# KiCad board Panel3-copy2.kicad_pcb
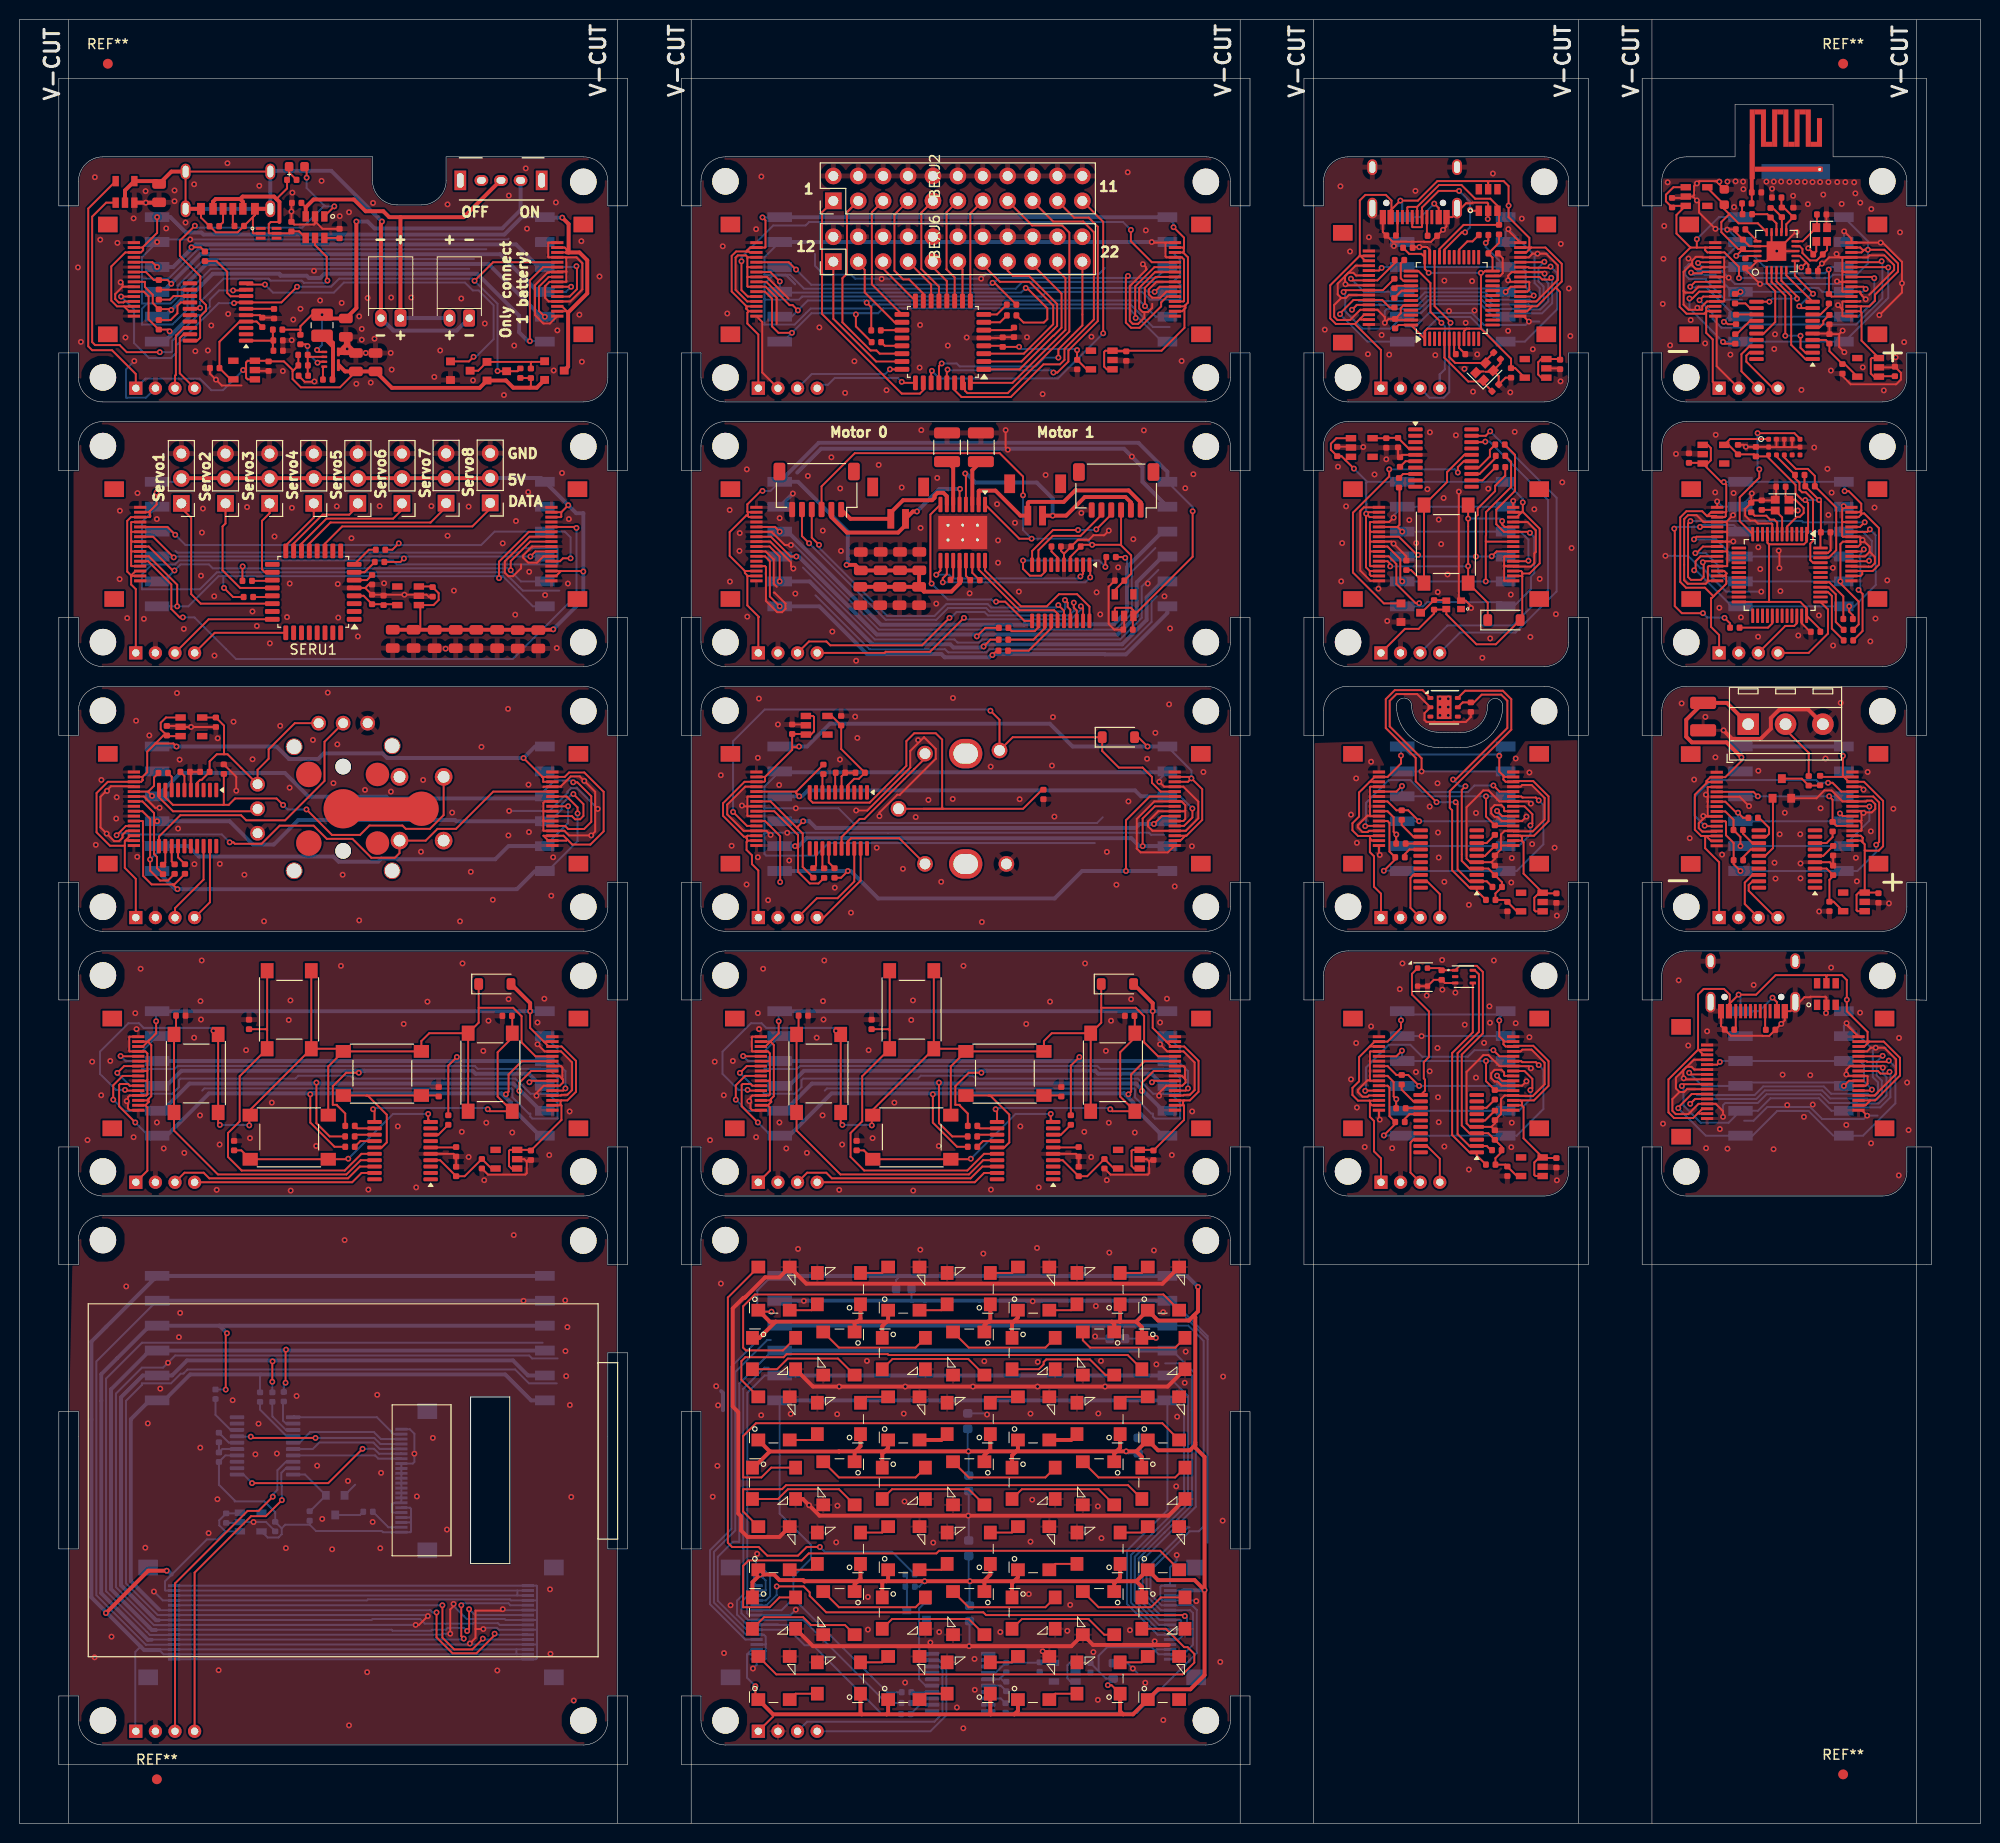
[diagram p0: board, top side]
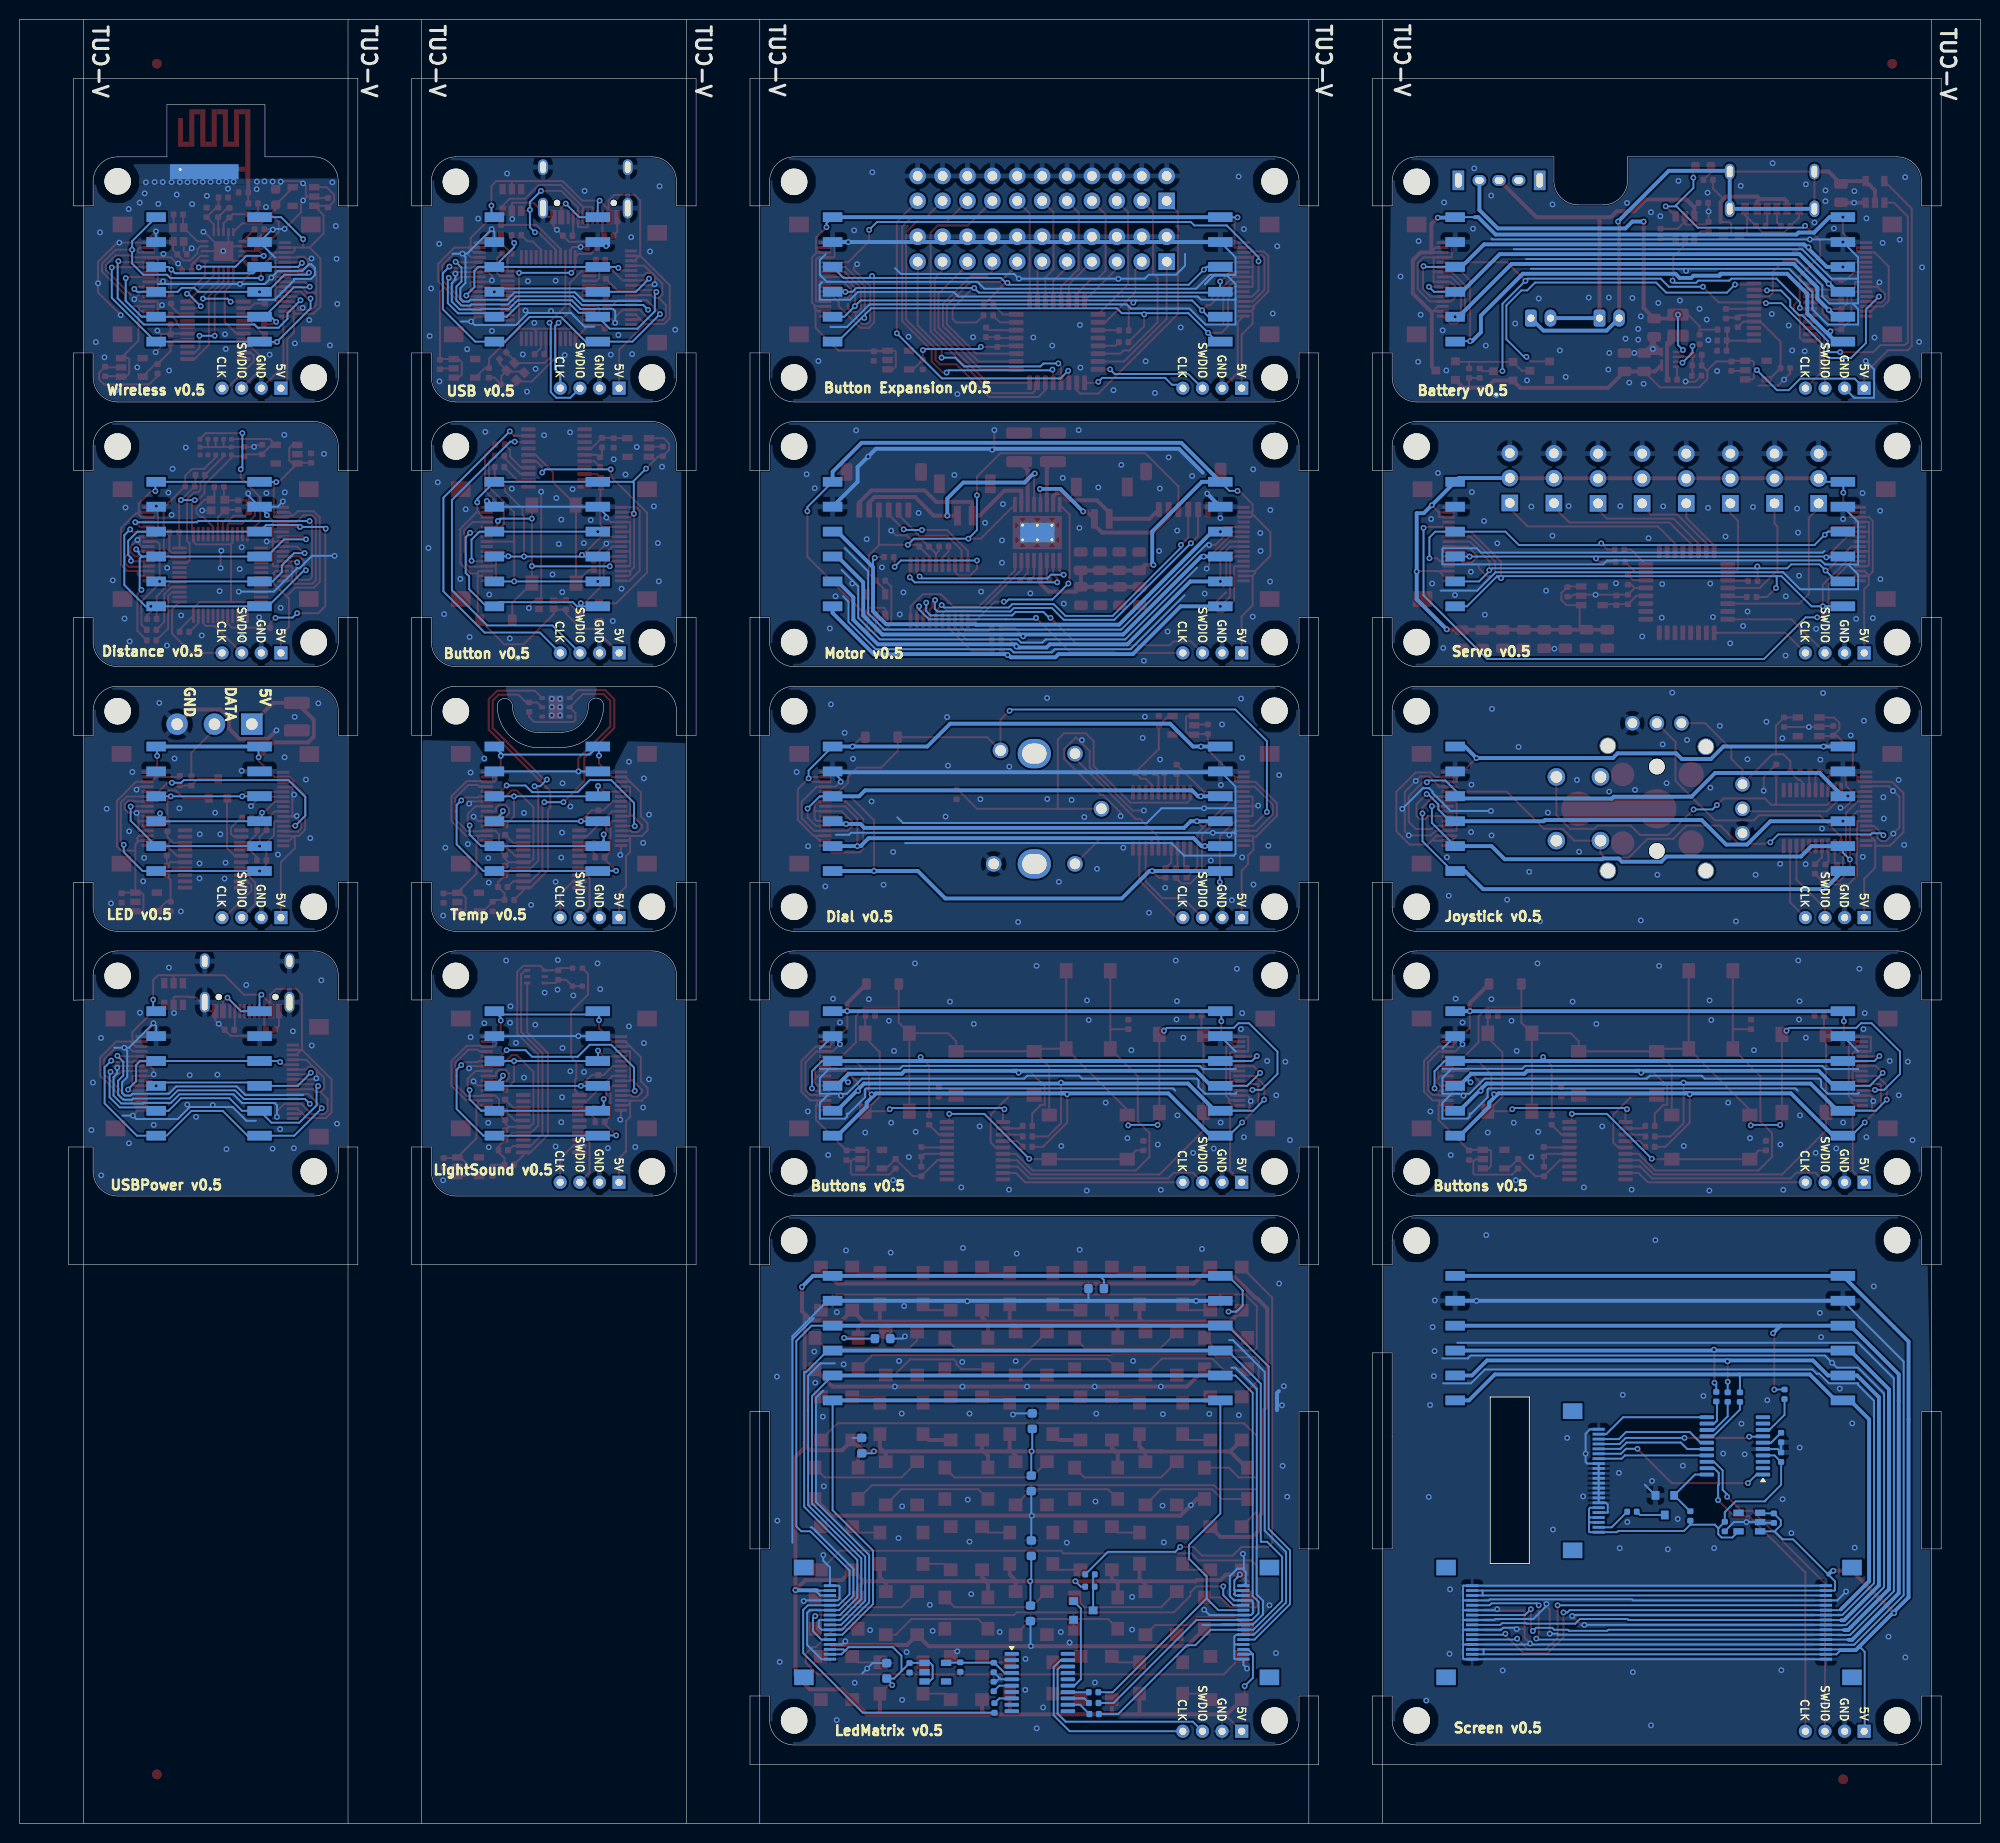
[diagram p1: board, bottom side, seen from below]

Outline 200 x 184 mm; copper layers: Top, Bottom. Coordinates in mm from the lower left corner of the outline.
Outline path: 5,0 5,184 ; 36,167.6 36,170 8.5,170 arc(6.73,169.27) 6,167.5 6,165 4,165 4,178 62,178 62,165 60,165 60,167.5 arc(59.27,169.27) 57.5,170 43.5,170 43.5,167.6 ; 35.99,167.6 arc(36.73,165.83) 38.49,165.1 41.01,165.1 arc(42.78,165.83) 43.51,167.6 ; 61,0 61,184 ; 68.5,0 68.5,184 ; 124.5,0 124.5,184 ; 132,0 132,184 ; 159,0 159,184 ; 166.5,0 166.5,184 ; 193.5,0 193.5,184 ; 0,184 200,184 200,0 0,0 0,184 ; 4,150 6,150 6,147.5 arc(6.73,145.73) 8.5,145 57.5,145 arc(59.27,145.73) 60,147.5 60,150 62,150 62,138 60,138 60,140.5 arc(59.27,142.27) 57.5,143 8.5,143 arc(6.73,142.27) 6,140.5 6,138 4,138 4,150 ; 4,123 6,123 6,120.5 arc(6.73,118.73) 8.5,118 57.5,118 arc(59.27,118.73) 60,120.5 60,123 62,123 62,111 60,111 60,113.5 arc(59.27,115.27) 57.5,116 8.5,116 arc(6.73,115.27) 6,113.5 6,111 4,111 4,123 ; 4,96 6,96 6,93.5 arc(6.73,91.73) 8.5,91 57.5,91 arc(59.27,91.73) 60,93.5 60,96 62,96 62,84 60,84 60,86.5 arc(59.27,88.27) 57.5,89 8.5,89 arc(6.73,88.27) 6,86.5 6,84 4,84 4,96 ; 4,69 6,69 6,66.5 arc(6.73,64.73) 8.5,64 57.5,64 arc(59.27,64.73) 60,66.5 60,69 62,69 62,57 60,57 60,59.5 arc(59.27,61.27) 57.5,62 8.5,62 arc(6.73,61.27) 6,59.5 6,57 4,57 4,69 ; 4,42 6,42 6,28 4,28 4,42 ; 4,13 6,13 6,10.5 arc(6.73,8.73) 8.5,8 57.5,8 arc(59.27,8.73) 60,10.5 60,13 62,13 62,6 4,6 4,13 ; 46,43.5 46,26.5 50,26.5 50,43.5 46,43.5 ; 60,48 62,48 62,28 60,28 60,48 ; 67.5,178 125.5,178 125.5,165 123.5,165 123.5,167.5 arc(122.77,169.27) 121,170 72,170 arc(70.23,169.27) 69.5,167.5 69.5,165 67.5,165 67.5,178 ; 67.5,150 69.5,150 69.5,147.5 arc(70.23,145.73) 72,145 121,145 arc(122.77,145.73) 123.5,147.5 123.5,150 125.5,150 125.5,138 123.5,138 123.5,140.5 arc(122.77,142.27) 121,143 72,143 arc(70.23,142.27) 69.5,140.5 69.5,138 67.5,138 67.5,150 ; 67.5,123 69.5,123 69.5,120.5 arc(70.23,118.73) 72,118 121,118 arc(122.77,118.73) 123.5,120.5 123.5,123 125.5,123 125.5,111 123.5,111 123.5,113.5 arc(122.77,115.27) 121,116 72,116 arc(70.23,115.27) 69.5,113.5 69.5,111 67.5,111 67.5,123 ; 67.5,96 69.5,96 69.5,93.5 arc(70.23,91.73) 72,91 121,91 arc(122.77,91.73) 123.5,93.5 123.5,96 125.5,96 125.5,84 123.5,84 123.5,86.5 arc(122.77,88.27) 121,89 72,89 arc(70.23,88.27) 69.5,86.5 69.5,84 67.5,84 67.5,96 ; 67.5,69 69.5,69 69.5,66.5 arc(70.23,64.73) 72,64 121,64 arc(122.77,64.73) 123.5,66.5 123.5,69 125.5,69 125.5,57 123.5,57 123.5,59.5 arc(122.77,61.27) 121,62 72,62 arc(70.23,61.27) 69.5,59.5 69.5,57 67.5,57 67.5,69 ; 67.5,42 69.5,42 69.5,28 67.5,28 67.5,42 ; 67.5,13 69.5,13 69.5,10.5 arc(70.23,8.73) 72,8 121,8 arc(122.77,8.73) 123.5,10.5 123.5,13 125.5,13 125.5,6 67.5,6 67.5,13 ; 123.5,42 125.5,42 125.5,28 123.5,28 123.5,42 ; 131,178 160,178 160,165 158,165 158,167.5 arc(157.27,169.27) 155.5,170 135.5,170 arc(133.73,169.27) 133,167.5 133,165 131,165 131,178 ; 131,150 133,150 133,147.5 arc(133.73,145.73) 135.5,145 155.5,145 arc(157.27,145.73) 158,147.5 158,150 160,150 160,138 158,138 158,140.5 arc(157.27,142.27) 155.5,143 135.5,143 arc(133.73,142.27) 133,140.5 133,138 131,138 131,150 ; 131,123 133,123 133,120.5 arc(133.73,118.73) 135.5,118 155.5,118 arc(157.27,118.73) 158,120.5 158,123 160,123 160,111 158,111 158,113.5 arc(157.27,115.27) 155.5,116 135.5,116 arc(133.73,115.27) 133,113.5 133,111 131,111 131,123 ; 131,96 133,96 133,93.5 arc(133.73,91.73) 135.5,91 155.5,91 arc(157.27,91.73) 158,93.5 158,96 160,96 160,84 158,84 158,86.5 arc(157.27,88.27) 155.5,89 135.5,89 arc(133.73,88.27) 133,86.5 133,84 131,84 131,96 ; 131,69 133,69 133,66.5 arc(133.73,64.73) 135.5,64 155.5,64 arc(157.27,64.73) 158,66.5 158,69 160,69 160,57 131,57 131,69 ; 140.43,114.04 arc(141.22,114.79) 141.98,114.02 arc(142.78,112.1) 144.69,111.31 147,111.27 arc(148.93,112.07) 149.73,114 arc(150.51,114.76) 151.28,114 arc(150.03,110.97) 147,109.72 144.7,109.75 arc(141.68,111.01) 140.43,114.04 ; 165.5,178 194.5,178 194.5,165 192.5,165 192.5,167.5 arc(191.77,169.27) 190,170 184.97,170 184.97,175.32 174.97,175.32 174.97,170 170,170 arc(168.23,169.27) 167.5,167.5 167.5,165 165.5,165 165.5,178 ; 165.5,150 167.5,150 167.5,147.5 arc(168.23,145.73) 170,145 190,145 arc(191.77,145.73) 192.5,147.5 192.5,150 194.5,150 194.5,138 192.5,138 192.5,140.5 arc(191.77,142.27) 190,143 170,143 arc(168.23,142.27) 167.5,140.5 167.5,138 165.5,138 165.5,150 ; 165.5,123 167.5,123 167.5,120.5 arc(168.23,118.73) 170,118 190,118 arc(191.77,118.73) 192.5,120.5 192.5,123 194.5,123 194.5,111 193.5,110.97 192.5,110.97 192.5,113.5 arc(191.77,115.27) 190,116 170,116 arc(168.23,115.27) 167.5,113.5 167.5,111 165.5,111 165.5,123 ; 165.5,96 167.5,96 167.5,93.5 arc(168.23,91.73) 170,91 190,91 arc(191.77,91.73) 192.5,93.5 192.5,95.97 194.5,95.97 194.5,83.97 193.5,84 192.5,84 192.5,86.5 arc(191.77,88.27) 190,89 170,89 arc(168.23,88.27) 167.5,86.5 167.5,84 165.5,84 165.5,96 ; 165.5,69 167.5,69 167.5,66.5 arc(168.23,64.73) 170,64 190,64 arc(191.77,64.73) 192.5,66.5 192.5,69 195,69 195,57 165.5,57 165.5,69
Stack: Top 0.035mm / dielectric 1.51mm FR4 er 4.5 / Bottom 0.035mm

## Placement (name value [footprint] x y rotation side)
BATC1  0.1uF  [C_0402_1005Metric]  25.95 154 0 top
BATC2  4.7uF  [C_0402_1005Metric]  24.75 153.12 180 top
BATC3  0.1uF  [C_0402_1005Metric]  26.36 151.28 90 top
BATC5  22uF_25V  [C_0805_2012Metric]  33.27 152.57 0 top
BATC6  10nF  [C_0402_1005Metric]  31.43 147.28 270 top
BATC7  10pF  [C_0402_1005Metric]  28.9 149.8 90 top
BATC8  4.7uF  [C_0402_1005Metric]  25.4 148.65 0 top
BATC9  4.7uF  [C_0402_1005Metric]  19.9 148.45 270 top
BATC10  22uF_25V  [C_0805_2012Metric]  36.3 149.05 180 top
BATC11  22uF_25V  [C_0805_2012Metric]  34.3 149.05 180 top
BATC13  4.7uF  [C_0402_1005Metric]  27.73 162.88 180 top
BATC14  4.7uF  [C_0402_1005Metric]  28.26 165.3 270 top
BATD2  red_led  [LED_SML-D12D1WT86]  28.27 169 270 top
BATH1  M2.5MountingHole  [MountingHole_2.7mm_M2.5_ISO7380]  8.5 147.5 0 top
BATH2  M2.5MountingHole  [MountingHole_2.7mm_M2.5_ISO7380]  57.5 167.45 0 top
BATIC1  -  [USBLC6-2P6]  25.4 162.2 270 top
BATIGNORE1  Battery v0.5  [BoardText]  52.8 145.3 0 top
BATIGNORE2  ON  [BoardText]  52.04 163.5 180 bottom
BATIGNORE3  OFF  [BoardText]  46.45 163.5 180 bottom
BATIGNORE4  +  [BoardText]  43.85 151 180 bottom
BATIGNORE4#2  +  [BoardText]  43.85 160.76 180 bottom
BATIGNORE5  -  [BoardText]  45.85 151 180 bottom
BATIGNORE5#2  -  [BoardText]  45.85 160.76 180 bottom
BATIGNORE6  -  [BoardText]  36.79 160.75 180 bottom
BATIGNORE6#2  -  [BoardText]  36.79 150.99 180 bottom
BATIGNORE7  +  [BoardText]  38.84 160.75 180 bottom
BATIGNORE7#2  +  [BoardText]  38.84 150.99 180 bottom
BATIGNORE8  Only connect  [BoardText]  50.45 156.45 270 bottom
BATIGNORE9  1 battery!  [BoardText]  50.45 156.65 90 bottom
BATJ1  -  [FFC_connector_16p_hinge_lock]  10.5 157.5 180 top
BATJ2  USB_C_power_only_connector  [USB_C_Receptacle_power_only_6P]  21.25 166.6 0 top
BATJ3  -  [FFC_connector_16p_hinge_lock]  56 157.5 0 top
BATJ4  swd_4pin  [swd_header]  11.85 146.4 90 top
BATJ5  ConnBattery_JST_S2B-PH-K-S  [JST_PH_S2B-PH-K_1x02_P2.00mm_Horizontal]  37.85 153.55 180 top
BATJ6  -  [01x06_2.54mm_Female]  53.4 157.5 0 bottom
BATJ7  -  [01x06_2.54mm_Male]  14.1 157.5 180 bottom
BATJ8  ConnBattery_JST_S2B-PH-K-S  [JST_PH_S2B-PH-K_1x02_P2.00mm_Horizontal]  44.85 153.55 180 top
BATL1  1uH_3.2A  [L_1008_2520Metric]  30.85 152.82 90 top
BATQ2  PMOS_2A  [SOT-23]  48.67 148.13 270 top
BATQ5  N_MOSFET  [SOT-23]  44.95 148.19 270 top
BATQ6  PMOS_2A  [SOT-23]  54.55 148.2 270 top
BATR1  75R  [R_0402_1005Metric]  18.9 159.85 180 top
BATR2  75R  [R_0402_1005Metric]  14.2 152.87 0 top
BATR3  75R  [R_0402_1005Metric]  14.2 156.95 180 top
BATR4  75R  [R_0402_1005Metric]  14.2 154.95 0 top
BATR9  510K  [R_0402_1005Metric]  28.91 148.72 90 top
BATR10  150K  [R_0402_1005Metric]  28.94 147.68 270 top
BATR11  5.1K  [R_0402_1005Metric]  19.87 162.93 270 top
BATR12  5.1K  [R_0402_1005Metric]  22.4 162.95 90 top
BATR13  0.01R  [R_0805_2012Metric]  14.22 166.3 0 top
BATR14  100K  [R_0402_1005Metric]  26.32 152.38 270 top
BATR15  100K  [R_0402_1005Metric]  26.38 150.22 90 top
BATR16  330R  [R_0402_1005Metric]  27.77 167.65 90 top
BATR17  5.1K  [R_0402_1005Metric]  32.63 162.18 180 top
BATR18  10K  [R_0402_1005Metric]  28.64 151.37 0 top
BATR19  10K  [R_0402_1005Metric]  52.15 147.93 180 top
BATR20  100K  [R_0402_1005Metric]  51.08 147.94 180 top
BATSW1  -  [side_spst_switch]  49.1 167.6 180 top
BATU2  ME6211C33M5G-N  [SOT-23-5]  22.9 148.25 90 top
BATU3  STM32G030F6P6  [TSSOP-20_4.4x6.5mm_P0.65mm]  20.24 154.18 180 top
BATU5  -  [TPS61230A]  31.77 149.35 90 top
BATU6  INA180A3  [SOT-23-5]  10.75 166.43 0 top
BATU8  TP4057  [SOT-23-6]  30.13 162.82 180 top
BEXC3  0.1uF  [C_0402_1005Metric]  101.42 152.1 0 top
BEXC4  4.7uF  [C_0402_1005Metric]  100.28 151.1 180 top
BEXC8  4.7uF  [C_0402_1005Metric]  112.88 149.68 0 top
BEXC9  4.7uF  [C_0402_1005Metric]  107.88 148.81 0 top
BEXH1  M2.5MountingHole  [MountingHole_2.7mm_M2.5_ISO7380]  72 147.5 0 top
BEXH2  M2.5MountingHole  [MountingHole_2.7mm_M2.5_ISO7380]  121 167.45 0 top
BEXH3  M2.5MountingHole  [MountingHole_2.7mm_M2.5_ISO7380]  72 167.5 0 top
BEXH4  M2.5MountingHole  [MountingHole_2.7mm_M2.5_ISO7380]  121 147.5 0 top
BEXIGNORE1  Button Expansion v0.5  [BoardText]  109.42 145.57 0 top
BEXIGNORE2  1  [BoardText]  80.48 165.85 180 bottom
BEXIGNORE3  11  [BoardText]  111.07 166.11 180 bottom
BEXIGNORE4  12  [BoardText]  80.19 159.99 180 bottom
BEXIGNORE5  22  [BoardText]  111.19 159.43 180 bottom
BEXJ1  -  [01x06_2.54mm_Male]  77.6 157.5 180 bottom
BEXJ2  Conn_02x11_Odd_Even  [PinHeader_2x11_P2.54mm_Vertical]  95.69 166.76 90 top
BEXJ3  -  [01x06_2.54mm_Female]  116.9 157.5 0 bottom
BEXJ4  swd_4pin  [swd_header]  75.35 146.4 90 top
BEXJ5  -  [FFC_connector_16p_hinge_lock]  74 157.5 180 top
BEXJ6  Conn_02x11_Odd_Even  [PinHeader_2x11_P2.54mm_Vertical]  95.69 160.56 90 top
BEXJ7  -  [FFC_connector_16p_hinge_lock]  119 157.5 0 top
BEXR5  75R  [R_0402_1005Metric]  101.19 153.82 90 top
BEXR6  75R  [R_0402_1005Metric]  87.36 152.3 270 top
BEXR7  75R  [R_0402_1005Metric]  87.39 151.1 270 top
BEXR8  75R  [R_0402_1005Metric]  101.18 154.93 90 top
BEXU1  STM32G030K6T6  [LQFP-32_7x7mm_P0.8mm]  94.17 151.12 180 top
BEXU2  ME6211C33M5G-N  [SOT-23-5]  110.38 149.28 90 top
BLKC1  0.1uF  [C_0402_1005Metric]  108.03 68.51 0 top
BLKC2  4.7uF  [C_0402_1005Metric]  108.03 66.5 180 top
BLKC8  4.7uF  [C_0402_1005Metric]  115.65 68.16 0 top
BLKC9  4.7uF  [C_0402_1005Metric]  110.65 67.29 0 top
BLKD2  1N4148W  [D_SOD-123]  111.97 85.62 0 top
BLKH1  M2.5MountingHole  [MountingHole_2.7mm_M2.5_ISO7380]  72 66.5 0 top
BLKH2  M2.5MountingHole  [MountingHole_2.7mm_M2.5_ISO7380]  121 86.45 0 top
BLKH3  M2.5MountingHole  [MountingHole_2.7mm_M2.5_ISO7380]  72 86.5 0 top
BLKH4  M2.5MountingHole  [MountingHole_2.7mm_M2.5_ISO7380]  121 66.5 0 top
BLKIGNORE1  Buttons v0.5  [BoardText]  114.5 64.17 0 top
BLKJ1  -  [01x06_2.54mm_Male]  77.6 76.5 180 bottom
BLKJ2  -  [01x06_2.54mm_Female]  116.9 76.5 0 bottom
BLKJ3  -  [FFC_connector_16p_hinge_lock]  119 76.5 0 top
BLKJ4  swd_4pin  [swd_header]  75.35 65.4 90 top
BLKJ5  -  [FFC_connector_16p_hinge_lock]  74.45 76.5 180 top
BLKR1  75R  [R_0402_1005Metric]  107.22 71.75 180 top
BLKR2  75R  [R_0402_1005Metric]  97.2 69.02 270 top
BLKR3  75R  [R_0402_1005Metric]  97.2 71.15 270 top
BLKR4  75R  [R_0402_1005Metric]  97.19 70.08 270 top
BLKR5  10K  [R_0402_1005Metric]  86.9 81.5 0 top
BLKR6  10K  [R_0402_1005Metric]  79.94 82.4 270 top
BLKR7  10K  [R_0402_1005Metric]  113.22 82.38 90 top
BLKR8  10K  [R_0402_1005Metric]  85.38 69.14 0 top
BLKR9  10K  [R_0402_1005Metric]  106.25 74.64 0 top
BLKSW1  button_6x6x7  [SW_SPST_PTS645]  81.5 76.5 90 top
BLKSW2  button_6x6x7  [SW_SPST_PTS645]  91 83 90 top
BLKSW3  button_6x6x7  [SW_SPST_PTS645]  100.5 76.5 180 top
BLKSW4  button_6x6x7  [SW_SPST_PTS645]  91 70 180 top
BLKSW6  button_6x6x7  [SW_SPST_PTS645]  111.5 76.62 270 top
BLKU2  ME6211C33M5G-N  [SOT-23-5]  113.15 67.75 90 top
BLKU3  STM32G030F6P6  [TSSOP-20_4.4x6.5mm_P0.65mm]  102.56 68.62 180 top
BTSC1  0.1uF  [C_0402_1005Metric]  44.52 68.51 0 top
BTSC2  4.7uF  [C_0402_1005Metric]  44.52 66.5 180 top
BTSC8  4.7uF  [C_0402_1005Metric]  52.15 68.16 0 top
BTSC9  4.7uF  [C_0402_1005Metric]  47.15 67.29 0 top
BTSD2  1N4148W  [D_SOD-123]  48.48 85.62 0 top
BTSH1  M2.5MountingHole  [MountingHole_2.7mm_M2.5_ISO7380]  8.5 66.5 0 top
BTSH2  M2.5MountingHole  [MountingHole_2.7mm_M2.5_ISO7380]  57.5 86.45 0 top
BTSH3  M2.5MountingHole  [MountingHole_2.7mm_M2.5_ISO7380]  8.5 86.5 0 top
BTSH4  M2.5MountingHole  [MountingHole_2.7mm_M2.5_ISO7380]  57.5 66.5 0 top
BTSIGNORE1  Buttons v0.5  [BoardText]  51 64.17 0 top
BTSJ1  -  [01x06_2.54mm_Male]  14.1 76.5 180 bottom
BTSJ2  -  [01x06_2.54mm_Female]  53.4 76.5 0 bottom
BTSJ3  -  [FFC_connector_16p_hinge_lock]  55.5 76.5 0 top
BTSJ4  swd_4pin  [swd_header]  11.85 65.4 90 top
BTSJ5  -  [FFC_connector_16p_hinge_lock]  10.95 76.5 180 top
BTSR1  75R  [R_0402_1005Metric]  43.73 71.75 180 top
BTSR2  75R  [R_0402_1005Metric]  33.7 69.02 270 top
BTSR3  75R  [R_0402_1005Metric]  33.7 71.15 270 top
BTSR4  75R  [R_0402_1005Metric]  33.69 70.08 270 top
BTSR5  10K  [R_0402_1005Metric]  23.4 81.5 0 top
BTSR6  10K  [R_0402_1005Metric]  16.44 82.4 270 top
BTSR7  10K  [R_0402_1005Metric]  49.73 82.38 90 top
BTSR8  10K  [R_0402_1005Metric]  21.88 69.14 0 top
BTSR9  10K  [R_0402_1005Metric]  42.75 74.64 0 top
BTSSW1  button_6x6x7  [SW_SPST_PTS645]  18 76.5 90 top
BTSSW2  button_6x6x7  [SW_SPST_PTS645]  27.5 83 90 top
BTSSW3  button_6x6x7  [SW_SPST_PTS645]  37 76.5 180 top
BTSSW4  button_6x6x7  [SW_SPST_PTS645]  27.5 70 180 top
BTSSW6  button_6x6x7  [SW_SPST_PTS645]  48 76.62 270 top
BTSU2  ME6211C33M5G-N  [SOT-23-5]  49.65 67.75 90 top
BTSU3  STM32G030F6P6  [TSSOP-20_4.4x6.5mm_P0.65mm]  39.06 68.62 180 top
BUTC1  0.1uF  [C_0402_1005Metric]  140.8 138.87 180 top
BUTC2  4.7uF  [C_0402_1005Metric]  140.6 140.85 0 top
BUTC8  4.7uF  [C_0402_1005Metric]  134.4 139.95 180 top
BUTC9  4.7uF  [C_0402_1005Metric]  139.4 140.81 0 top
BUTD2  ws2812b_1615  [WS2812B_1615]  146.28 124.3 180 top
BUTD3  1N4148W  [D_SOD-123]  151.4 122.75 0 top
BUTH1  M2.5MountingHole  [MountingHole_2.7mm_M2.5_ISO7380]  135.5 120.5 0 top
BUTH2  M2.5MountingHole  [MountingHole_2.7mm_M2.5_ISO7380]  155.5 140.45 0 top
BUTIGNORE1  Button v0.5  [BoardText]  152.35 118.47 0 top
BUTJ1  -  [FFC_connector_16p_hinge_lock]  137.5 130.5 180 top
BUTJ2  -  [01x06_2.54mm_Male]  141.1 130.5 180 bottom
BUTJ3  -  [FFC_connector_16p_hinge_lock]  153.5 130.5 0 top
BUTJ4  swd_4pin  [swd_header]  138.85 119.4 90 top
BUTJ5  -  [01x06_2.54mm_Female]  151.4 130.5 0 bottom
BUTQ1  N_MOSFET  [SOT-23]  141.9 123.5 270 top
BUTR1  75R  [R_0402_1005Metric]  140.7 136.75 0 top
BUTR2  75R  [R_0402_1005Metric]  151 140.65 90 top
BUTR3  75R  [R_0402_1005Metric]  151.05 138.35 90 top
BUTR4  75R  [R_0402_1005Metric]  151.05 139.5 90 top
BUTR5  10K  [R_0402_1005Metric]  141.45 128.34 0 top
BUTR6  1K  [R_0402_1005Metric]  144.28 124.3 180 top
BUTSW2  button_6x6x7  [SW_SPST_PTS645]  145.5 130.5 90 top
BUTU2  ME6211C33M5G-N  [SOT-23-5]  136.9 140.35 270 top
BUTU3  STM32G030F6P6  [TSSOP-20_4.4x6.5mm_P0.65mm]  145.24 139.28 0 top
DIAC1  0.1uF  [C_0402_1005Metric]  83.73 107.17 90 top
DIAC2  4.7uF  [C_0402_1005Metric]  85.74 107.17 270 top
DIAC8  4.7uF  [C_0402_1005Metric]  78.8 111.62 180 top
DIAC9  4.7uF  [C_0402_1005Metric]  83.8 112.48 180 top
DIAD2  1N4148W  [D_SOD-123]  112.08 110.8 0 top
DIAH1  M2.5MountingHole  [MountingHole_2.7mm_M2.5_ISO7380]  72 93.5 0 top
DIAH2  M2.5MountingHole  [MountingHole_2.7mm_M2.5_ISO7380]  121 113.45 0 top
DIAH3  M2.5MountingHole  [MountingHole_2.7mm_M2.5_ISO7380]  72 113.5 0 top
DIAH4  M2.5MountingHole  [MountingHole_2.7mm_M2.5_ISO7380]  121 93.5 0 top
DIAIGNORE1  Dial v0.5  [BoardText]  114.33 91.63 0 top
DIAJ1  -  [FFC_connector_16p_hinge_lock]  74 103.5 180 top
DIAJ2  -  [FFC_connector_16p_hinge_lock]  118.98 103.5 0 top
DIAJ3  -  [01x06_2.54mm_Male]  77.6 103.5 180 bottom
DIAJ4  swd_4pin  [swd_header]  75.35 92.4 90 top
DIAJ5  -  [01x06_2.54mm_Female]  116.9 103.5 0 bottom
DIAR1  75R  [R_0402_1005Metric]  81.98 107.52 180 top
DIAR2  75R  [R_0402_1005Metric]  83.12 96.95 0 top
DIAR3  75R  [R_0402_1005Metric]  80.96 96.96 0 top
DIAR4  75R  [R_0402_1005Metric]  82.06 96.94 0 top
DIAR5  10K  [R_0402_1005Metric]  104.43 104.96 180 top
DIASW7  RotaryEncoder_Switch  [RotaryEncoderEC12D]  96.5 103.5 90 top
DIAU2  ME6211C33M5G-N  [SOT-23-5]  81.3 112.02 270 top
DIAU3  STM32G030F6P6  [TSSOP-20_4.4x6.5mm_P0.65mm]  83.51 102.31 270 top
DISC3  4.7uF  [C_0402_1005Metric]  177.1 139.93 180 top
DISC4  4.7uF  [C_0402_1005Metric]  184.22 131.7 90 top
DISC5  4.7uF  [C_0402_1005Metric]  183.19 121.55 270 top
DISC6  12pF  [C_0402_1005Metric]  179.65 136.35 90 top
DISC7  12pF  [C_0402_1005Metric]  177.7 134.47 0 top
DISC8  4.7uF  [C_0402_1005Metric]  170.28 139.27 180 top
DISC9  4.7uF  [C_0402_1005Metric]  175.28 140.13 180 top
DISC11  0.1uF  [C_0402_1005Metric]  176.62 134.22 0 top
DISH1  M2.5MountingHole  [MountingHole_2.7mm_M2.5_ISO7380]  170 120.5 0 top
DISH2  M2.5MountingHole  [MountingHole_2.7mm_M2.5_ISO7380]  190 140.45 0 top
DISIGNORE1  Distance v0.5  [BoardText]  186.45 118.7 0 top
DISJ1  -  [01x06_2.54mm_Male]  175.6 130.5 180 bottom
DISJ2  -  [01x06_2.54mm_Female]  185.9 130.5 0 bottom
DISJ3  -  [FFC_connector_16p_hinge_lock]  188 130.5 0 top
DISJ4  swd_4pin  [swd_header]  173.35 119.4 90 top
DISJ5  -  [FFC_connector_16p_hinge_lock]  172 130.5 180 top
DISR5  10K  [R_0402_1005Metric]  182.62 136.4 270 top
DISR6  10K  [R_0402_1005Metric]  181.57 137.55 90 top
DISR7  75R  [R_0402_1005Metric]  186.54 120.67 90 top
DISR8  75R  [R_0402_1005Metric]  186.54 121.75 90 top
DISR9  75R  [R_0402_1005Metric]  186.5 122.86 90 top
DISR10  75R  [R_0402_1005Metric]  174.95 121.97 270 top
DISU1  -  [VL53L3CXV0DH]  180 140.39 180 top
DISU2  ME6211C33M5G-N  [SOT-23-5]  172.78 139.67 270 top
DISU3  STM32F103C8T6  [LQFP-48_7x7mm_P0.5mm]  179.53 127.35 270 top
DISY1  Crystal_16M_small  [Crystal_SMD_2016-4Pin_2.0x1.6mm]  179.78 134.47 180 top
JOYC1  0.1uF  [C_0402_1005Metric]  16.88 107.26 90 top
JOYC2  4.7uF  [C_0402_1005Metric]  18.89 107.26 270 top
JOYC8  4.7uF  [C_0402_1005Metric]  15.02 111.46 180 top
JOYC9  4.7uF  [C_0402_1005Metric]  20.02 112.33 0 top
JOYH1  M2.5MountingHole  [MountingHole_2.7mm_M2.5_ISO7380]  8.5 93.5 0 top
JOYH2  M2.5MountingHole  [MountingHole_2.7mm_M2.5_ISO7380]  57.5 113.45 0 top
JOYH3  M2.5MountingHole  [MountingHole_2.7mm_M2.5_ISO7380]  8.5 113.5 0 top
JOYH4  M2.5MountingHole  [MountingHole_2.7mm_M2.5_ISO7380]  57.5 93.5 0 top
JOYIGNORE1  Joystick v0.5  [BoardText]  51.02 91.68 0 top
JOYJ1  -  [01x06_2.54mm_Male]  14.1 103.5 180 bottom
JOYJ2  -  [FFC_connector_16p_hinge_lock]  10.5 103.5 180 top
JOYJ3  -  [01x06_2.54mm_Female]  53.4 103.5 0 bottom
JOYJ4  swd_4pin  [swd_header]  11.85 92.4 90 top
JOYJ5  -  [FFC_connector_16p_hinge_lock]  55.5 103.5 0 top
JOYR1  75R  [R_0402_1005Metric]  14.65 107.15 270 top
JOYR2  75R  [R_0402_1005Metric]  16.87 97.36 0 top
JOYR3  75R  [R_0402_1005Metric]  14.63 97.31 0 top
JOYR4  75R  [R_0402_1005Metric]  15.81 97.34 0 top
JOYR6  10K  [R_0402_1005Metric]  20.83 107.54 0 top
JOYU1  -  [Joystick]  33 105.5 90 top
JOYU2  ME6211C33M5G-N  [SOT-23-5]  17.52 111.86 270 top
JOYU3  STM32G030F6P6  [TSSOP-20_4.4x6.5mm_P0.65mm]  17.14 102.55 270 top
LEDC1  0.1uF  [C_0402_1005Metric]  184.98 99.22 0 top
LEDC2  4.7uF  [C_0402_1005Metric]  184.98 97.22 180 top
LEDC4  47uF_16V  [C_1210_3225Metric]  171.72 112.9 0 top
LEDC8  4.7uF  [C_0402_1005Metric]  189.6 94.4 0 top
LEDC9  4.7uF  [C_0402_1005Metric]  184.6 93.53 0 top
LEDH1  M2.5MountingHole  [MountingHole_2.7mm_M2.5_ISO7380]  170 93.5 0 top
LEDH2  M2.5MountingHole  [MountingHole_2.7mm_M2.5_ISO7380]  190 113.45 0 top
LEDIGNORE1  LED v0.5  [BoardText]  187.8 91.85 0 top
LEDIGNORE2  GND  [BoardText]  184.82 114.42 90 top
LEDIGNORE3  DATA  [BoardText]  180.95 114.25 90 top
LEDIGNORE4  5V  [BoardText]  177.2 114.85 90 top
LEDJ1  -  [01x06_2.54mm_Male]  175.6 103.5 180 bottom
LEDJ2  TerminalBlock_3P_3.8_black  [TerminalBlock_03_P3.81mm_Horizontal]  180.12 112.13 0 top
LEDJ3  -  [01x06_2.54mm_Female]  185.9 103.5 0 bottom
LEDJ4  swd_4pin  [swd_header]  173.35 92.4 90 top
LEDJ5  -  [FFC_connector_16p_hinge_lock]  171.95 103.47 180 top
LEDJ7  -  [FFC_connector_16p_hinge_lock]  188.1 103.5 0 top
LEDQ3  N_MOSFET  [SOT-23]  179.75 105.57 0 top
LEDR1  75R  [R_0402_1005Metric]  184.93 101.67 180 top
LEDR2  75R  [R_0402_1005Metric]  175.31 98.25 270 top
LEDR3  75R  [R_0402_1005Metric]  176.82 102.58 270 top
LEDR4  75R  [R_0402_1005Metric]  175.3 101.33 270 top
LEDR5  1K  [R_0402_1005Metric]  182.49 106.35 180 top
LEDR7  1K  [R_0402_1005Metric]  183.65 106.38 0 top
LEDU2  ME6211C33M5G-N  [SOT-23-5]  187.1 94 90 top
LEDU3  STM32G030F6P6  [TSSOP-20_4.4x6.5mm_P0.65mm]  180.27 98.38 180 top
LIGC1  0.1uF  [C_0402_1005Metric]  150.48 72.22 0 top
LIGC2  4.7uF  [C_0402_1005Metric]  150.48 70.22 180 top
LIGC3  4.7uF  [C_0402_1005Metric]  145.05 86.53 0 top
LIGC8  4.7uF  [C_0402_1005Metric]  156.75 67.39 0 top
LIGC9  4.7uF  [C_0402_1005Metric]  151.75 66.52 0 top
LIGH1  M2.5MountingHole  [MountingHole_2.7mm_M2.5_ISO7380]  135.5 66.5 0 top
LIGH2  M2.5MountingHole  [MountingHole_2.7mm_M2.5_ISO7380]  155.5 86.45 0 top
LIGIGNORE1  LightSound v0.5  [BoardText]  151.7 65.8 0 top
LIGJ1  -  [01x06_2.54mm_Male]  141.1 76.5 180 bottom
LIGJ2  -  [01x06_2.54mm_Female]  151.4 76.5 0 bottom
LIGJ3  -  [FFC_connector_16p_hinge_lock]  153.5 76.5 0 top
LIGJ4  swd_4pin  [swd_header]  138.86 65.4 90 top
LIGJ5  -  [FFC_connector_16p_hinge_lock]  137.5 76.5 180 top
LIGR1  75R  [R_0402_1005Metric]  150.47 74.33 180 top
LIGR2  75R  [R_0402_1005Metric]  140.8 71.55 270 top
LIGR3  75R  [R_0402_1005Metric]  140.97 75.86 180 top
LIGR4  75R  [R_0402_1005Metric]  140.89 72.95 270 top
LIGR5  10K  [R_0402_1005Metric]  150.05 67.2 90 top
LIGR6  10K  [R_0402_1005Metric]  150.68 68.67 90 top
LIGU1  -  [LTR-381RGB]  147.32 86.38 0 top
LIGU2  ME6211C33M5G-N  [SOT-23-5]  154.25 66.98 90 top
LIGU3  STM32G030F6P6  [TSSOP-20_4.4x6.5mm_P0.65mm]  145.77 71.38 180 top
LIGU4  WMM7027ATSN1-4/TR  [LGA-4]  143.1 86.33 0 top
MATC1  4.7uF  [C_0402_1005Metric]  109.22 15.88 180 bottom
MATC2  4.7uF  [C_0402_1005Metric]  100.64 15.91 180 bottom
MATC3  4.7uF  [C_0402_1005Metric]  104.05 15.95 180 bottom
MATC4  0.1uF  [C_0402_1005Metric]  100.64 13.97 0 bottom
MATC6  22uF_10V  [C_0603_1608Metric]  114.1 38.54 0 bottom
MATC7  22uF_10V  [C_0603_1608Metric]  96.81 28.07 0 bottom
MATC8  22uF_10V  [C_0603_1608Metric]  90.19 54.55 270 bottom
MATC11  22uF_10V  [C_0603_1608Metric]  96.71 41.04 0 bottom
MATC12  22uF_10V  [C_0603_1608Metric]  111.97 49.45 90 bottom
MATC13  22uF_10V  [C_0603_1608Metric]  96.89 21.42 180 bottom
MATC15  22uF_10V  [C_0603_1608Metric]  111.55 15.56 0 bottom
MATC16  22uF_10V  [C_0603_1608Metric]  96.81 34.69 180 bottom
MATD1  WS2812B  [LED_WS2812B_PLCC4_5.0x5.0mm_P3.2mm]  76.95 54.55 0 top
MATD2  WS2812B  [LED_WS2812B_PLCC4_5.0x5.0mm_P3.2mm]  83.57 54.55 90 top
MATD3  WS2812B  [LED_WS2812B_PLCC4_5.0x5.0mm_P3.2mm]  90.19 54.55 0 top